# Altium PCB ZJUD_Bottomboard.PcbDoc
Units mm, origin at the board's own origin, x right, y up, seen from the top; angles counter-clockwise.
Board outline 101 x 72 mm, 2 copper layers (Top Layer, Bottom Layer), stack 1.671 mm thick; 69 components, 39 nets, 297 pads, 500 vias.
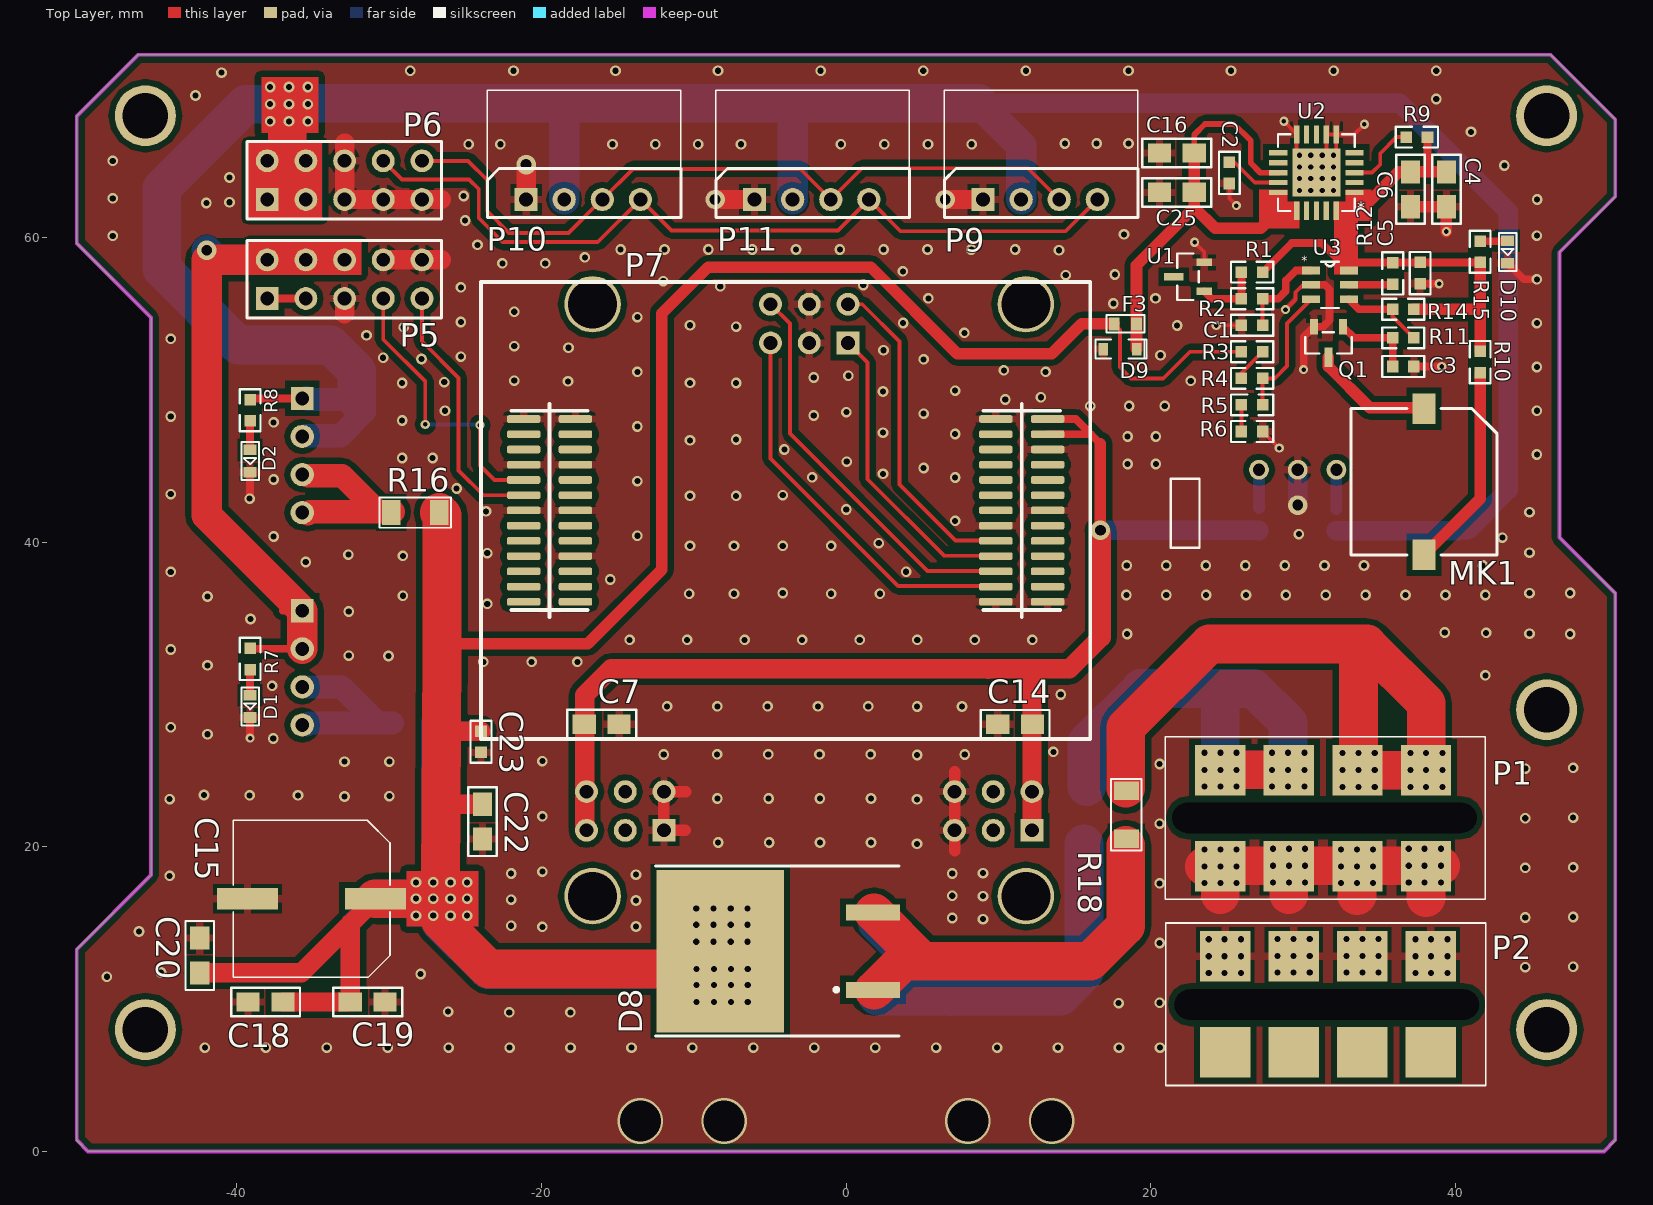
[diagram p0: Top Layer view]
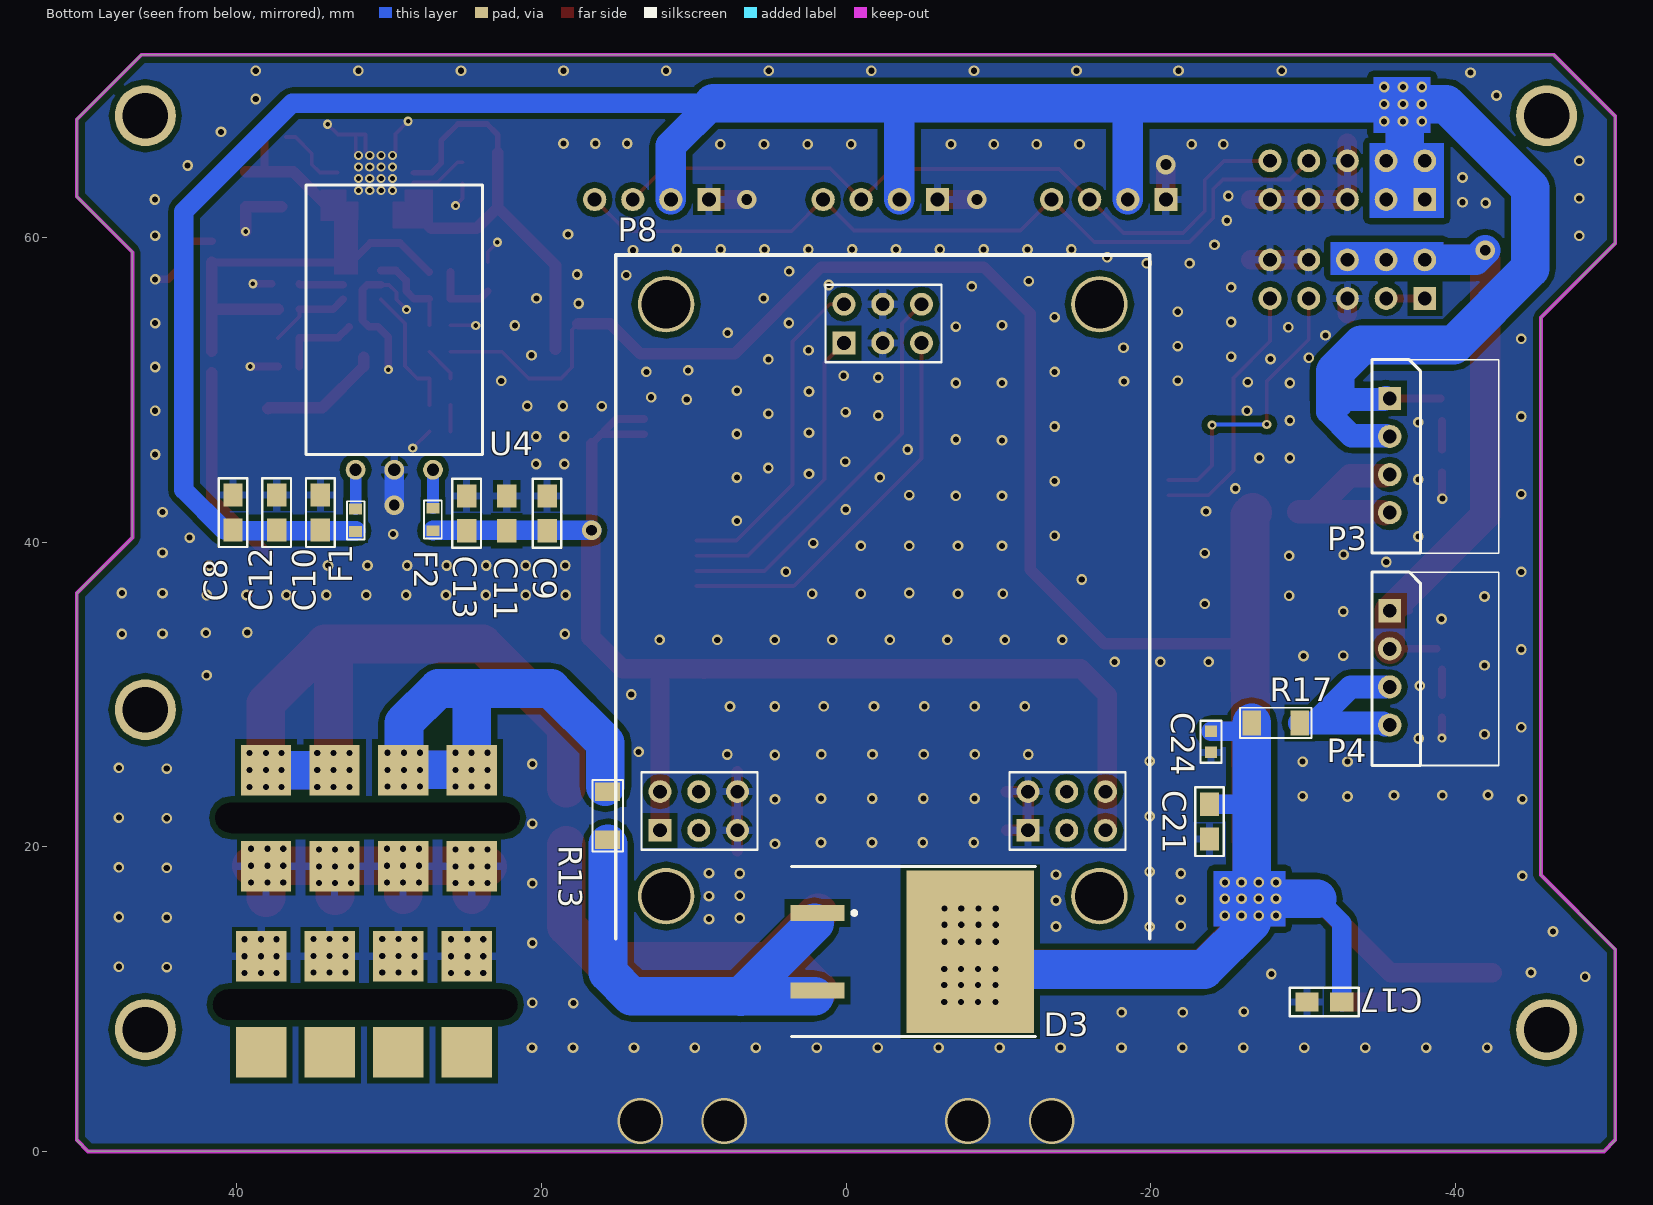
[diagram p1: Bottom Layer view, seen from below]

## Layer stack, top to bottom
Top Solder: solder mask 0.0102, Solder Resist, Dk 3.5
Top Layer: signal copper 0.0356
Dielectric1: core 1.6, FR-4, Dk 4.8
Bottom Layer: signal copper 0.0356
Bottom Solder: solder mask 0.0102, Solder Resist, Dk 3.5

## Board outline
-50.5,0.741 -49.759,0 49.759,0 50.5,0.741 50.5,36.656 46.853,40.303 46.853,59.038 50.5,62.685 50.5,67.766 46.266,72 -46.489,72 -50.5,67.989 -50.5,59.622 -45.628,54.751 -45.628,18.149 -50.5,13.278

## Design rules (kind name [scope] priority, off if disabled: settings)
Clearance Clearance_1 [INPOLYGON] p1: gap=0.381
Clearance [All] p2: gap=0.16
ComponentClearance [All] p1: gap=0 collisioncheckmode=3 verticalgap=0 showdistances=FALSE
HoleSize [All] p1: absolutevalues=TRUE maxlimit=20 minlimit=0.025 maxpercent=80.000 minpercent=20.000
MinimumSolderMaskSliver [All] p1: minsoldermaskwidth=0.01
PlaneConnect [All] p1: planeconnectstyle=Relief reliefexpansion=0.508 reliefentries=4 reliefconductorwidth=1.27 reliefairgap=0.254
PolygonConnect PolygonConnect_1 [ISVIA] p1: connectstyle=Direct reliefconductorwidth=0.254 reliefentries=4 polygonreliefangle="90 Angle" airgapwidth=0.254
PolygonConnect [All] p2: connectstyle=Relief reliefconductorwidth=0.508 reliefentries=4 polygonreliefangle="90 Angle" airgapwidth=0.254
RoutingVias [All] p1: holewidth=0.3 width=0.5 viastyle="Through Hole" minholewidth=0.3 minwidth=0.5 maxholewidth=5 maxwidth=6
SilkToSilkClearance [All] p1: silktosilkclearance=0
SilkToSolderMaskClearance [IsPad] p1: minsilkscreentomaskgap=0 clearancetoexposedcopper=TRUE
SolderMaskExpansion [All] p1: expansion=0.102
Width [All] p1: maxlimit=3.81 minlimit=0.152 preferedwidth=0.254 minimp=50.000000 maximp=50.000000 favimp=50.000000
23 further rules are at their usual default settings.

## Components (designator, comment, footprint, x,y, rotation, side; value= is the part's Value field where it differs from the comment)
C1 "Cb" 0603C 25.959,54.246 r0 top
C2 "Cb" 0603C 25.171,63.551 r90 top
C3 "Cb" 0603C 37.287,51.537 r180 top
C4 "0805" 0805C#1 39.421,64.313 r270 top
C5 "Cb" 0603C 37.694,56.972 r90 top
C6 "0805" 0805C#1 37.059,64.313 r270 top
C7 "0805" 0805C#1 -14.894,28.055 r180 top
C8 "0805" 0805C#1 40.249,43.092 r270 bottom
C9 "0805" 0805C#1 19.624,43.041 r270 bottom
C10 "0805" 0805C#1 34.509,43.092 r270 bottom
C11 "0805" 0805C#2 22.266,43.041 r90 bottom
C12 "0805" 0805C#1 37.379,43.092 r270 bottom
C13 "0805" 0805C#1 24.909,43.041 r270 bottom
C14 "0805" 0805C#1 12.243,28.042 r180 top
C15 "Cap_Sanyo_330" CAP_SANYO_330 -35.087,16.6 r180 top
C16 "0805" 0805C#1 20.574,65.558 r0 top
C17 "0805" 0805C#1 -32.547,9.818 r0 bottom
C18 "0805" 0805C#1 -36.967,9.818 r180 top
C19 "0805" 0805C#1 -32.547,9.818 r0 top
C20 "0805" 0805C#1 -42.428,11.723 r90 top
C21 "0805" 0805C#1 -23.861,22.797 r270 bottom
C22 "0805" 0805C#1 -23.861,22.797 r270 top
C23 "0603" 0603C -23.962,27.598 r270 top
C24 "0603" 0603C -23.962,27.598 r270 bottom
C25 "0805" 0805C#1 20.574,62.967 r0 top
D1 "LED0603" 0603Led -39.126,29.224 r90 top
D2 "LED0603" 0603Led -39.126,45.327 r90 top
D3 "30CTQ80-S" D2PAK -4.226,13.12 r270 bottom
D8 "30CTQ80-S" D2PAK -4.318,13.157 r90 top locked
D9 "1N4007" SOD323-1N4007 17.983,52.68 r180 top
D10 "LED0603" 0603Led 43.434,59.055 r90 top
F1 "Fuse_0603" 0603Fuse 32.197,41.441 r270 bottom
F2 "Fuse_0603" 0603Fuse 27.117,41.492 r270 bottom
F3 "Fuse_0603" 0603Fuse 18.339,54.331 r0 top
MK1 "Buzzer_Smd_Source_9696" Buzzer_Smd_S 37.948,43.967 r180 top locked
P1 "DS_PWR_BOARD" DS_PWR_BOARD 24.577,25.033 r0 top
P2 "DS_PWR_BOARD" DS_PWR_BOARD 38.395,6.516 r180 top
P3 "5264-4" "5264-4 - wan" -35.7,49.442 r270 bottom locked
P4 "5264-4" "5264-4 - wan" -35.7,35.5 r270 bottom locked
P5 "Header 5X2" HDR2X5 -38,56 r0 top
P6 "Header 5X2" HDR2X5 -38,62.5 r0 top
P7 "ZJUD_Core_Module" ZJUD_NewCore_Module -23.962,57.087 r270 top locked
P8 "GYRO_Header 2X5_2.54" GYRO_HDR2X5_2.54 -2.413,55.626 r180 bottom locked
P9 "5264-4" "5264-4 - wan" 9,62.5 r0 top locked
P10 "5264-4" "5264-4 - wan" -21,62.5 r0 top locked
P11 "5264-4" "5264-4 - wan" -6,62.5 r0 top locked
Q1 "SI2302" SOT23-3 31.674,53.086 r180 top
R1 "Rb" 0603R 25.959,57.734 r0 top
R2 "Rb" 0603R 25.959,55.99 r0 top
R3 "Rb" 0603R 25.959,52.502 r0 top
R4 "Rb" 0603R 25.959,50.758 r0 top
R5 "Rb" 0603R 27.356,49.014 r180 top
R6 "Rb" 0603R 25.959,47.269 r0 top
R7 "Rb" 0603R -39.126,33.034 r270 top
R8 "Rb" 0603R -39.126,49.366 r270 top
R9 "Rb" 0603R 38.176,66.599 r180 top
R10 "Rb" 0603R 41.631,51.13 r90 top
R11 "Rb" 0603R 35.89,53.416 r0 top
R12 "Rb" 0603R 35.89,56.947 r90 top
R13 "FUSE1206" 1206R 15.646,22.047 r90 bottom
R14 "Rb" 0603R 35.89,55.296 r0 top
R15 "Rb" 0603R 41.631,58.369 r90 top
R16 "FUSE1206" 1206R -28.28,41.949 r180 top
R17 "FUSE1206" 1206R -28.207,28.134 r0 bottom
R18 "FUSE1206" 1206R 18.405,22.112 r270 top
U1 "LM4040C41IDBZR" SOT23-3 22.454,57.429 r90 top
U2 "TPS7A4701_RGW_20" VQFN-20 30.886,64.262 r180 top
U3 "LMV761" SOT23-6 31.775,56.896 r0 top
U4 "K7805-1500" K78X6-1500(L) 29.656,44.757 r270 bottom locked

## Footprints (in the part's own frame and the unit in brackets; to place one, negate y for a bottom-side part, rotate by r counter-clockwise, add the part's x,y. Pads: shape width x height; smd on the part's side, far side on the other; paste and mask are expansions set on the pad)
0603C [mil]
  rect 30x30 smd: 1(0,0) 2(55,0)
  silkscreen extent -27,-27 82,27, body extent -4,-16 58,16, height 12
0603Fuse [mm] "0603贴片保险丝"
  rect 0.7x0.85 smd: 1(-0.736,0) 2(0.736,0)
  silkscreen extent -1.25,-0.58 1.25,0.58, body extent -0.8,-0.4 0.8,0.4, height 0.73
0603Led [mm] "0603贴?"
  rect 0.7x0.85 smd: 1(-0.736,0) 2(0.736,0)
  silkscreen extent -1.25,-0.57 1.25,0.58, body extent -0.81,-0.4 0.81,0.4, height 0.62
0603R [mil]
  rect 30x30 smd: 1(0,0) 2(55,0)
  silkscreen extent -27,-27 82,27, body extent -4,-18 58,16, height 18
0805C#1 [mil]
  rect 60x50 smd: 1(0,0) 2(90,0)
  silkscreen extent -44,-37 134,37, body extent 5,-25 83,25, height 31
0805C#2 [mil]
  rect 60x50 smd: 1(0,0) 2(-90,0)
  body extent -83,-25 -5,25, height 31
1206R [mm] "1206贴片电阻"
  rect 1.2x1.65 smd: 1(-1.575,0) 2(1.575,0)
  silkscreen extent -2.35,-1 2.35,1, body extent -1.6,-0.8 1.6,0.8, height 0.52
"5264-4 - wan" [mil]
  rect 60x59.05 hole 36: 1(0,0)
  round 60 hole 36: 2(98.43,0) 3(196.85,0) 4(295.28,0)
  silkscreen extent -100,-46 400,282, body extent -101,-16 391,283, height 197
Buzzer_Smd_S [mm]
  rect 1.5x2 smd: 1(0,4.8) 2(0,-4.8)
  silkscreen extent -4.8,-4.8 4.8,4.8, body extent -4.8,-4.9 4.8,4.9, height 5.52
CAP_SANYO_330 [mm] "贴片电解电容"
  rect 4x1.4 smd: 1(-4.2,0) 2(4.2,0)
  silkscreen extent -5.15,-5.15 5.15,5.15, body extent -5.56,-5.15 5.54,5.15, height 10.13
D2PAK [mil]
  rect 41.34x140 smd: 1(-100,-240) 3(100,-240)
  rect 420x330 smd: 2(0,155)
  silkscreen extent -219,-307 219,323, body extent -200,-288 200,313, height 184
DS_PWR_BOARD [mil]
  round 39.37 hole 78.74 slot 787.4 at 0 deg: 0(269,-123)
  rect 130x130 smd far side: 1(0,0) 2(177.17,0) 3(354.33,0) 4(531.5,0) 5(0,-248.03) 6(177.17,-248.03) 7(354.33,-248.03) 8(531.5,-248.03)
  rect 130x130 smd: 1(0,0) 2(177.17,0) 3(354.33,0) 4(531.5,0) 5(0,-248.03) 6(177.17,-248.03) 7(354.33,-248.03) 8(531.5,-248.03)
  silkscreen extent -142,-334 685,86, body extent -241,-747 789,79, height 203
GYRO_HDR2X5_2.54 [mm] "Connector; Header; 4x2 Position"
  round 3.7 hole 3.2: 0(-14.224,-38.862) 0(-14.224,0) 0(14.224,-38.862) 0(14.224,0)
  round 1.5 hole 0.9: 1(-2.54,0) 2(0,0) 3(2.54,0) 5(0,-2.54) 6(2.54,-2.54) 7(-14.62,-32) 8(-12.08,-32) 9(-9.54,-32) 11(-12.08,-34.54) 12(-9.54,-34.54) 13(9.54,-32) 14(12.08,-32) 15(14.62,-32) 17(12.08,-34.54) 18(14.62,-34.54)
  rect 1.5x1.5 hole 0.9: 4(-2.54,-2.54) 10(-14.62,-34.54) 16(9.54,-34.54)
  silkscreen extent -17.53,-41.66 17.53,3.23, body extent -15.84,-35.81 15.94,1.27, height 7.12
HDR2X5 [mm] "Connector; Header; 4x2 Position"
  rect 1.5x1.5 hole 0.9: 1(0,0)
  round 1.5 hole 0.9: 2(0,2.54) 3(2.54,0) 4(2.54,2.54) 5(5.08,0) 6(5.08,2.54) 7(7.62,0) 8(7.62,2.54) 9(10.16,0) 10(10.16,2.54)
  silkscreen extent -1.32,-1.27 11.46,3.81, body extent -1.27,-1.27 11.43,3.81, height 7.12
K78X6-1500(L) [mm]
  round 1.3 hole 0.8: 1(0,-2.54) 2(0,0) 3(0,2.54)
  silkscreen extent -18.7,-5.8 -1,5.8, body extent -18.7,-5.75 0.3,5.75, height 9.02
SOD323-1N4007 [mm] "0603贴片LED"
  rect 0.63x0.83 smd: 1(-1.1,0) 2(1.1,0)
  silkscreen extent -1.75,-0.63 1.6,0.63, body extent -1.26,-0.62 1.26,0.63, height 0.96
SOT23-3 [mil]
  rect 20x40 smd: 1(-37.4,-41.94) 2(37.4,-41.94)
  rect 20x50.5 smd: 3(0,36.69)
  silkscreen extent -60,-28 60,28, body extent -57,-49 58,50, height 39
SOT23-6 [mil]
  rect 46x20 smd: 1(-49,37.4) 2(-49,0) 3(-49,-37.4) 4(49,-37.4) 5(48.99,0) 6(49,37.4)
  silkscreen extent -22,-60 22,60, body extent -56,-58 56,58, height 44
VQFN-20 [mm]
  rect 1.2x0.35 smd: 1(-2.5,1.3) 2(-2.5,0.65) 3(-2.5,0) 4(-2.5,-0.65) 5(-2.5,-1.3) 11(2.5,-1.3) 12(2.5,-0.65) 13(2.5,0) 14(2.5,0.65) 15(2.5,1.3)
  rect 0.35x1.2 smd: 6(-1.3,-2.5) 7(-0.65,-2.5) 8(0,-2.5) 9(0.65,-2.5) 10(1.3,-2.5) 16(1.3,2.5) 17(0.65,2.5) 18(0,2.5) 19(-0.65,2.5) 20(-1.3,2.5)
  rect 3.15x3.15 smd: 21(0,0)
  silkscreen extent -2.52,-2.52 2.52,2.52, body extent -2.52,-2.52 2.52,2.52, height 0.94
ZJUD_NewCore_Module [mm]
  rrect50% 0.5x2.2 smd: 1(9,37.2) 2(9,33.8) 3(10,37.2) 4(10,33.8) 5(11,37.2) 6(11,33.8) 7(12,37.2) 8(12,33.8) 9(13,37.2) 10(13,33.8) 11(14,37.2) 12(14,33.8) 13(15,37.2) 14(15,33.8) 15(16,37.2) 16(16,33.8) 17(17,37.2) 18(17,33.8) 19(18,37.2) 20(18,33.8) 21(19,37.2) 22(19,33.8) 23(20,37.2) 24(20,33.8) 25(21,37.2) 26(21,33.8) 31(9,6.2) 32(9,2.8) 33(10,6.2) 34(10,2.8) 35(11,6.2) 36(11,2.8) 37(12,6.2) 38(12,2.8) 39(13,6.2) 40(13,2.8) 41(14,6.2) 42(14,2.8) 43(15,6.2) 44(15,2.8) 45(16,6.2) 46(16,2.8) 47(17,6.2) 48(17,2.8) 49(18,6.2) 50(18,2.8) 51(19,6.2) 52(19,2.8) 53(20,6.2) 54(20,2.8) 55(21,6.2) 56(21,2.8)
  silkscreen extent 0,0 30,40, body extent 0,0 30,40, height 8.62

## Part data
C1 C2 C3 C5: library part Cap0603
C4 C6 C7 C8 C9 C10 C11 C12 C13 C14 C16 C17 C18 C19 C20 C21 C22 C23 C24 C25: library part Cap0805
D3 D8: library part MBR1035CT
D9: "1N4007-SOD323"
MK1: "贴片有源蜂鸣器9.6mm"
P1 P2: "电池接口转接小板"
P3 P4 P9 P10 P11: "电机连接线"
P5 P6: "Header, 4-Pin, Dual row"
Q1: "N-Channel MOSFET"
R1 R2 R3 R4 R5 R6 R7 R8 R9 R10 R11 R12 R14 R15: library part Res0603
R13 R16 R17 R18: library part Res1206
U1: library part LM4040A25IDBZT, "LM4040A25IDBZT"
U2: "TPS7A4701"

## Free pads (board coordinates)
  round 4 hole 3: 0(-46,8) 0(-46,68) 0(46,8) 0(46,68) 2(46,29)

## Via types
v1: diameter 0.7, hole 0.4, Top Layer to Bottom Layer, 460 vias
v2: diameter 0.6, hole 0.35, Top Layer to Bottom Layer, 16 vias
v3: diameter 0.6, hole 0.3, Top Layer to Bottom Layer, 14 vias
v4: diameter 1.27, hole 0.711, Top Layer to Bottom Layer, 6 vias
v5: diameter 3, hole 2.7, Top Layer to Bottom Layer, 4 vias

## Nets (pads, with @x,y where several pads share a name; then routed paths per layer and width w, separated by ;. In a path a pad name is that pad's centre, name@x,y a point inside that pad or via, vN(x,y) a via of type N, cw(c..) or ccw(c..) an arc to the next point about the centre after c; other vN are vias at no path point)
485_A+: P6.10 P9.3 P10.3 P11.3 | length 49.2
  Top Layer w0.254: P6.10 -24.81,65.04 -23.556,63.786 -23.556,61.736 -22.133,60.313 -18.222,60.313 P10.3@-16.035,62.5 ; P10.3 -13.996,64.504 -3.004,64.504 P11.3 1.055,64.555 11.945,64.555 P9.3
485_B-: P6.8 P9.4 P10.4 P11.4 | length 54.8
  Top Layer w0.254: P6.8 -29.158,63.818 -24.75,63.818 -24.115,63.183 -24.115,61.278 -22.54,59.704 -16.296,59.704 P10.4 -11.466,60.466 -0.534,60.466 P11.4 3.585,60.415 14.415,60.415 P9.4
+5V_BOTTOM: C7.2 C9.2 C11.2 C13.2 C14.1 F2.2 P7.1 P7.3 P8.7 P8.10 P8.15 P8.18 | length 84.8
  Top Layer w0.508: P7.3 16.086,47.087 ; P7.1 15.086,48.087 16.703,46.47
  Top Layer w0.762: v4(16.703,40.781) 16.703,46.47
  Top Layer w1.27: P8.18@-17.155,21.201 -17.155,29.96 -15.428,31.687 9.363,31.687 ; 9.337,31.662 9.363,31.687 ; P8.10 P8.7 12.207,31.626 ; v4@16.753,40.628 16.753,33.769 14.671,31.687 9.363,31.687
  Bottom Layer w1.27: v4(16.703,40.781) 27.092,40.781 F2.2
+5V_MIDDLE: P5.1 P5.3 | length 2.5
  Top Layer w0.508: P5.1 P5.3
+5V_VTEST: C4.1 C5.2 C6.1 R1.2 R9.1 R10.2 R12.2 R14.2 R15.1 U2.1 U2.20 U3.6 | length 35.4
  Top Layer w0.508: R1.2 29.261,59.639 31.227,59.639 U3.6 33.543,58.369 C5.2 R15.1 ; R9.1 38.176,64.338 38.202,64.313
  Top Layer w0.762: 33.655,61.697 33.68,61.697 36.297,64.313 C6.1 38.202,64.313 C4.1 ; R14.2 41.631,55.296 ; R10.2 41.631,55.296 ; R15.1 41.631,55.296
+16V_VTEST: C16.2 C25.2 D9.1 F3.2 U2.13 U2.15 U2.16 | length 30.6
  Top Layer w0.381: C16.2 22.86,66.751 23.571,67.462 25.476,67.462 26.568,66.37 26.568,64.897 27.203,64.262 U2.13
  Top Layer w0.762: D9.1 19.075,52.688 F3.2 19.075,58.191 22.86,61.976 ; C16.2 C25.2 22.86,61.976 ; 28.651,62.027 27.229,60.604 24.232,60.604 22.86,61.976
DGND: C1.1 C2.1 C3.1 C4.2 C5.1 C6.2 C7.1 C8.1 C9.1 C10.1 C11.1 C12.1 C13.1 C14.2 C15.2 C16.1 C17.2 C18.2 C19.2 C20.2 C21.2 C22.2 C23.2 C24.2 C25.1 D1.1 D2.1 D9.2 D10.1 P1.5 P1.6 P1.7 P1.8 P2.5 P2.6 P2.7 P2.8 P5.5 P5.8 P5.10 P6.5 P6.6 P6.7 P6.9 P7.2 P7.5 P7.13 P7.16 P7.25 P7.26 P7.31 P7.32 P7.37 P7.38 P7.43 P7.44 P7.49 P8.2 P8.5 P8.9 P8.12 P8.13 P8.16 P9.1 P10.1 P11.1 Q1.2 R6.2 U1.2 U2.6 U2.7 U2.10 U2.21 U3.2 U4.2 | length 96
  Top Layer w0.254: v3(22.885,59.69) 23.519,59.057 U1.2 ; v3(24.308,54.229) 24.325,54.246 C1.1 ; C2.1 25.171,62.56 v3(25.629,62.103) ; R6.2 v3(28.448,46.177) ; v3(28.753,67.64) 29.586,66.807 U2.10 29.586,65.589 v2(29.775,65.4) ; v3(28.854,55.27) 29.515,55.931 29.515,56.413 29.997,56.896 U3.2 ; v2(31.265,65.4) 31.536,65.671 U2.7 U2.6 ; v2(32.01,65.4) 32.186,65.576 U2.6 ; v3(34.036,67.437) 33.361,66.762 U2.6
  Top Layer w0.508: v3(-39.126,27.141) D1.1 ; v1@-39.126,42.863 D2.1 ; v3(30.048,51.333) 30.048,53.476 Q1.2 31.317,54.151 31.75,54.585 31.75,56.566 31.42,56.896 U3.2 ; C3.1 v3(39.116,51.537) ; C5.1 v3(38.938,56.972) ; D10.1 44.497,57.257 v1(45.354,57.257)
  Top Layer w0.762: -10.562,21.086 P8.16 P8.13 -10.512,23.626 ; P8.9@7.112,23.641 P8.9 ; 7.127,19.746 P8.12 P8.9 ; 7.127,24.928 P8.9 ; C6.2 C4.2 v3(39.421,60.401)
  Top Layer w1.27: -32.928,55.005 -32.92,55.013 P5.5 ; -32.92,66.203 P6.6 P6.5 P6.7 P6.9 -26.578,62.5 ; P5.8 P5.10 -26.578,58.54 ; P10.1 v4(-21,64.793) ; v4(-8.593,62.5) P11.1 ; v4(6.515,62.5) P9.1
  Top Layer w2.54: v1(23.536,18.708) 23.587,18.759 v1(28.032,18.759) v1(29.073,18.759) ; 24.577,16.85 v1(24.577,17.616) v1(24.577,18.708) ; 29.073,16.85 v1(29.073,17.667) v1(29.073,18.759) ; 33.543,16.799 v1(33.543,17.616) v1(33.543,18.708) ; 38.075,16.662 38.075,18.673 v1(37.988,18.759) ; v1(39.055,18.759) v1(37.988,18.759) ; v1(29.073,18.759) v1(30.14,18.759) v1(36.947,18.759) v1(37.988,18.759)
  Bottom Layer w1.27: v4(29.656,42.433) U4.2
  other v1: -42.091,6.821 -38.09,6.821 -34.089,6.821 -30.088,6.821 -26.087,6.821 -22.086,6.821 -18.085,6.821 -14.085,6.821 -10.084,6.821 -6.083,6.821 -2.082,6.821 1.919,6.821 5.92,6.821 9.921,6.821 13.922,6.821 17.922,6.821 20.615,6.821 -22.108,9.132 -18.095,9.132 -26.121,9.183 17.897,9.742 20.589,9.767 -48.524,11.469 -27.925,11.647 23.815,11.723 24.857,11.723 25.923,11.723 37.379,11.723 38.42,11.723 39.487,11.723 -44.968,11.748 28.336,11.748 29.378,11.748 30.445,11.748 32.858,11.748 33.899,11.748 34.966,11.748 44.592,12.104 47.742,12.129 23.815,12.815 24.857,12.815 25.923,12.815 37.379,12.815 38.42,12.815 39.487,12.815 28.336,12.841 29.378,12.841 30.445,12.841 32.858,12.841 33.899,12.841 34.966,12.841 20.589,13.685 23.815,13.933 24.857,13.933 25.923,13.933 37.379,13.933 38.42,13.933 39.487,13.933 28.336,13.958 29.378,13.958 30.445,13.958 32.858,13.958 33.899,13.958 34.966,13.958 -46.416,14.441 -19.939,14.746 -13.792,14.771 -21.981,14.822 8.992,15.254 6.975,15.33 44.592,15.362 47.742,15.393 -13.792,16.473 -21.981,16.536 8.992,16.765 6.975,16.79 20.589,17.603 23.536,17.616 25.644,17.616 32.502,17.616 34.61,17.616 28.032,17.667 30.14,17.667 36.947,17.667 37.988,17.667 39.055,17.667 -44.409,18.098 -13.792,18.175 -21.981,18.251 6.975,18.251 8.992,18.276 -19.939,18.373 44.592,18.619 47.742,18.657 25.644,18.708 32.502,18.708 34.61,18.708 23.536,19.826 24.577,19.826 25.644,19.826 32.502,19.826 33.543,19.826 34.61,19.826 28.032,19.876 29.073,19.876 30.14,19.876 36.947,19.876 37.988,19.876 39.055,19.876 4.664,20.193 -8.392,20.283 -5.048,20.283 -1.703,20.283 1.641,20.283 20.589,21.521 44.592,21.877 47.742,21.921 -19.939,22.001 4.664,23.114 -44.409,23.135 -8.443,23.178 -5.082,23.178 -1.72,23.178 1.641,23.178 -32.928,23.305 -29.982,23.331 -39.151,23.382 -35.976,23.382 -42.149,23.407 44.592,25.134 47.742,25.185 20.589,25.439 -32.928,25.591 -29.982,25.591 -19.939,25.629 4.674,26.035 -11.963,26.06 7.798,26.06 -8.462,26.074 -5.103,26.074 -1.744,26.074 1.616,26.074 13.614,26.238 -37.602,27.115 -41.92,27.395 -44.333,27.852 4.674,29.21 7.62,29.21 -11.745,29.224 -8.443,29.224 -5.141,29.224 -1.839,29.224 1.463,29.224 14.097,29.997 -37.678,30.57 41.976,31.256 -41.92,31.916 -23.81,32.145 -20.635,32.145 -17.638,32.145 -30.033,32.526 -32.649,32.551 -44.333,32.952 -14.209,33.592 -10.431,33.592 -6.654,33.592 -2.877,33.592 0.901,33.592 4.678,33.592 8.455,33.592 12.233,33.592 18.456,33.973 47.539,33.973 44.872,33.999 42.027,34.05 39.309,34.075 -39.101,34.964 -32.649,35.455 -23.556,35.955 -41.92,36.437 -29.093,36.488 18.405,36.539 21.024,36.539 23.643,36.539 26.262,36.539 28.881,36.539 31.5,36.539 34.119,36.539 36.738,36.539 39.357,36.539 41.976,36.539 -10.297,36.615 -7.351,36.615 -0.975,36.615 2.225,36.615 44.872,36.657 -4.15,36.666 47.539,36.666 -15.479,37.555 -44.333,38.053 3.952,38.063 18.43,38.469 21.027,38.469 23.623,38.469 26.22,38.469 28.816,38.469 31.413,38.469 34.009,38.469 41.798,38.469 -35.468,38.698 -29.093,39.104 -32.674,39.18 -23.556,39.282 44.872,39.316 -10.246,39.765 -7.351,39.765 -4.15,39.765 -0.975,39.765 2.149,39.942 43.094,40.298 -37.577,40.374 -13.701,40.425 29.733,40.527 7.163,41.402 44.872,41.974 -23.632,42.025 0.015,42.152 -39.151,42.863 -10.246,43.041 -7.214,43.041 -4.15,43.092 -44.333,43.153 -25.562,43.524 -13.701,44.013 -37.577,44.121 7.163,44.251 -2.22,44.26 2.428,44.489 5.095,44.87 18.491,45.136 20.345,45.136 0.051,45.288 -29.144,45.53 -27.137,45.53 45.354,45.759 -4.049,46.089 -10.246,46.686 -7.214,46.745 18.491,46.939 20.345,46.939 7.163,47.101 2.428,47.194 -13.701,47.6 -37.577,47.867 -29.144,47.994 -44.333,48.253 -2.118,48.324 5.095,48.439 0.025,48.539 -26.324,48.629 45.354,48.633 16.038,48.934 18.593,48.946 20.93,48.946 10.455,49.366 12.792,49.518 2.428,49.899 7.163,49.95 -7.214,50.449 -29.144,50.458 -10.246,50.464 -26.375,50.509 -18.247,50.56 22.631,50.597 -21.778,50.61 -2.118,50.814 0.152,50.927 -13.701,51.188 13.106,51.181 10.363,51.283 45.354,51.508 5.095,52.007 -27.874,52.033 -30.388,52.109 -25.283,52.185 20.65,52.273 2.464,52.603 -18.222,52.769 -21.778,52.871 -44.333,53.354 -31.481,53.582 7.772,53.746 -29.042,54.116 -7.214,54.153 21.742,54.229 -10.246,54.243 45.354,54.382 3.749,54.395 -25.283,54.458 -13.701,54.776 -21.778,55.132 17.551,55.677 5.41,56.007 20.32,56.007 -25.283,56.732 -8.255,56.794 1.133,56.884 -11.999,57.138 14.427,57.531 17.653,57.582 3.734,57.785 -22.565,58.307 -19.746,58.307 -17.145,58.699 13.985,59.17 -14.793,59.221 -11.915,59.221 -9.037,59.221 -6.159,59.221 -3.282,59.221 -0.404,59.221 2.474,59.221 5.352,59.221 8.23,59.221 11.108,59.221 -24.191,59.526 -48.143,60.11 45.354,60.131 18.253,60.212 -25.004,61.126 -41.996,62.269 -40.472,62.32 45.38,62.498 -48.143,62.574 -25.105,62.726 -40.472,63.945 43.221,64.733 -48.143,65.038 -24.775,66.13 -22.692,66.13 -15.326,66.13 -12.515,66.13 -9.704,66.13 -6.893,66.13 -0.34,66.13 2.522,66.13 5.383,66.13 8.245,66.13 14.366,66.181 16.456,66.181 18.545,66.181 41.036,66.943 38.75,69.102 -42.707,69.33 -41.006,70.829 -28.61,70.956 -21.829,70.956 -15.138,70.956 -8.402,70.956 -1.666,70.956 5.07,70.956 11.806,70.956 18.542,70.956 25.278,70.956 32.014,70.956 38.75,70.956
  other v2: 29.775,63.089 30.52,63.089 31.265,63.089 32.01,63.089 29.775,63.876 30.52,63.876 31.265,63.876 32.01,63.876 29.775,64.638 30.52,64.638 31.265,64.638 32.01,64.638 30.52,65.4
  other v5: -13.5,2 -8,2 8,2 13.5,2
GYRO_RXD: P5.7 P7.40 | length 18.9
  Top Layer w0.254: P5.7 -30.38,53.32 -27.62,50.56 v3(-27.62,47.74) ; v3(-24.038,47.689) -24.038,45.048 -23.078,44.087 P7.40
  Bottom Layer w0.254: v3(-27.62,47.74) -24.089,47.74 v3(-24.038,47.689)
GYRO_TXD: P5.9 P7.42 | length 17.2
  Top Layer w0.254: P5.9 -27.84,53.193 -25.435,50.788 -25.435,44.718 -23.805,43.087 P7.42
NetC1_2: C1.2 R2.2 U3.1 | length 6.1
  Top Layer w0.254: C1.2 R2.2
  Top Layer w0.508: R2.2 28.38,55.99 28.88,56.49 28.88,57.175 29.55,57.846 U3.1
NetC2_2: C2.2 U2.14 | length 3.8
  Top Layer w0.254: C2.2 25.502,64.948 26.837,63.612 U2.14
NetC3_2: C3.2 Q1.1 R11.1 | length 5.5
  Top Layer w0.508: Q1.1 33.359,53.416 R11.1 C3.2
NetD1_2: D1.2 R7.2 | length 1.7
  Top Layer w0.508: D1.2@-39.126,29.96 R7.2
NetD2_2: D2.2 R8.2 | length 1.9
  Top Layer w0.508: D2.2 R8.2
NetD3_1: D3.1 D3.3 R13.1 | length 29.5
  Bottom Layer w2.54: D3.3@2.073,10.199 14.087,10.199 15.621,11.733 R13.1@15.621,20.181 ; 2.073,15 6.912,10.161
NetD8_1: D8.1 D8.3 R18.2 | length 28.1
  Top Layer w2.54: D8.1@1.844,10.58 3.749,12.485 16.041,12.485 18.364,14.808 R18.2@18.364,20.105 ; D8.3@1.844,15.66 5.019,12.485
NetD10_2: D10.2 R15.2 | length 1.8
  Top Layer w0.508: R15.2 43.409,59.766 D10.2
NetF1_1: F1.1 U4.1 | length 2.6
  Bottom Layer w0.762: U4.1 32.196,42.178 F1.1
NetF2_1: F2.1 U4.3 | length 2.5
  Bottom Layer w0.762: U4.3 27.116,42.229 F2.1
NetMK1_1: MK1.1 R10.1 | length 13.5
  Top Layer w0.762: MK1.1 41.631,42.85 R10.1
NetMK1_2: MK1.2 Q1.3 | length 8
  Top Layer w0.762: Q1.3 31.674,51.537 34.392,48.819 37.896,48.819 MK1.2
NetR1_1: R1.1 R2.1 U1.1 | length 4.4
  Top Layer w0.508: U1.1 24.008,55.99 R2.1 R1.1
NetR3_2: R3.2 R4.1 | length 2.3
  Top Layer w0.254: R4.1 25.959,51.105 R3.2
NetR4_2: R4.2 R5.1 U3.3 | length 8.7
  Top Layer w0.254: R5.1 R4.2 28.152,50.758 28.956,51.562 28.956,54.371 U3.3
NetR5_2: R5.2 R6.1 | length 1.7
  Top Layer w0.254: R6.1 R5.2
NetR9_2: R9.2 U2.3 | length 4.8
  Top Layer w0.254: U2.3 34.544,64.262 35.077,64.795 35.077,65.532 36.144,66.599 R9.2
NetR11_2: R11.2 R14.1 U3.4 | length 5.6
  Top Layer w0.254: R14.1 35.89,54.813 R11.2
  Top Layer w0.508: U3.4 33.67,55.296 R14.1
NetR12_1: R12.1 U3.5 | length 2.9
  Top Layer w0.508: U3.5 35.839,56.896 R12.1
SPI2_CS: P7.18 P8.1 | length 21.6
  Top Layer w0.254: P8.1 1.07,55.626 3.521,53.176 3.521,43.778 7.178,40.12 9.83,40.12 P7.18@9.835,40.116
SPI2_MISO: P7.22 P8.3 | length 26.3
  Top Layer w0.254: P8.3 -3.683,54.356 -3.683,47.146 5.347,38.116 P7.22@9.835,38.116
SPI2_MOSI: P7.24 P8.6 | length 25.8
  Top Layer w0.254: P8.6 -4.953,45.495 3.426,37.116 P7.24@9.835,37.116
SPI2_SCK: P7.20 P8.4 | length 20
  Top Layer w0.254: P8.4 1.412,51.801 1.412,44.133 6.43,39.116 P7.20@9.835,39.116
V_PC_AF_SW: P4.1 P4.2 P5.2 P5.4 P5.6 R7.1 | length 45.8
  Top Layer w0.508: R7.1@-38.788,33 P4.2 ; -36.964,35.5 P4.1
  Top Layer w2: P4.2 P4.1 -41.971,41.771 -41.971,58.54 P5.2 P5.4
  Bottom Layer w2: v4(-41.971,59.17) -41.341,58.54 P5.2 P5.4
V_PC_BF_SW: P4.3 P4.4 R17.1 | length 12.3
  Bottom Layer w1.524: P4.4@-35.395,28 -35.261,28.134 R17.1 -30.772,28.134 -33.138,30.5 P4.3@-35.395,30.5
V_SUB_AF_SW: C8.2 C10.2 C12.2 F1.2 P3.1 P3.2 P6.1 P6.2 P6.3 P6.4 P9.2 P10.2 P11.2 R8.1 | length 191.1
  Top Layer w0.508: R8.1@-39.05,49.442 P3.1
  Top Layer w2: P6.1@-38.241,62.625 P6.1@-38.004,62.388
  Top Layer w2.54: -36.688,63.704 -36.688,69.254
  Bottom Layer w1.27: 8.702,68.822 36.363,68.822 43.475,61.71 43.475,43.448 40.833,40.806 C8.2 40.199,40.756 F1.2@32.197,40.756
  Bottom Layer w1.524: P3.2@-35.446,46.997 -33.189,46.997 -31.633,48.553 -31.633,49.772 ; P3.1@-35.446,49.497 -35.312,49.363 -32.116,49.363
  Bottom Layer w2: -18.501,68.822 -18.5,68.821 P10.2 ; P11.2 -3.5,68.782 ; 8.702,68.822 11.5,66.024 P9.2
  Bottom Layer w2.54: -37.45,68.822 -18.501,68.822 8.702,68.822 ; -36.688,63.704 v1@-36.688,68.67 ; v1@-36.688,68.759 v1(-37.805,68.759) -39.393,68.759 -44.917,63.234 -44.917,57.976 -39.888,52.947 -33.843,52.947 -32.116,51.22 -32.116,49.363
  other v1: -37.805,67.628 -36.567,67.628 -35.329,67.628 -36.567,68.759 -35.329,68.759 -37.805,69.889 -36.567,69.889 -35.329,69.889
V_SUB_BF_SW: P3.3 P3.4 R16.2 | length 12.3
  Top Layer w1.524: P3.4@-35.344,41.869 -35.21,42.003 -29.731,42.003 -30.721,42.003 -33.087,44.369 P3.3@-35.344,44.369
VBAT: C15.1 C17.1 C18.1 C19.1 C20.1 C21.1 C22.1 C23.1 C24.1 D3.2 D8.2 F3.1 R3.1 R16.1 R17.2 | length 206.5
  Top Layer w0.254: F3.1 17.983,53.951 17.983,51.486 18.72,50.749 20.828,50.749 22.581,52.502 R3.1
  Top Layer w0.508: -26.528,32.602 -25.805,33.325
  Top Layer w0.762: -25.805,33.338 -16.952,33.338 -12.09,38.2 -12.09,55.016 -9.042,58.064 1.626,58.064 7.315,52.375 13.513,52.375 15.482,54.344 F3.1@17.592,54.344
  Top Layer w1.27: C20.1 -35.764,11.723 -32.547,14.94 ; C18.1 C19.1 -32.547,14.94 ; C15.1 -32.547,14.94 ; -26.586,22.797 C22.1 ; -26.557,27.648 -26.507,27.598 C23.1
  Top Layer w2.54: C15.1 v1(-28.229,16.6) ; R16.1 -26.528,41.771 -26.528,32.602 -26.557,27.648 -26.586,22.797 -26.617,17.67 -26.617,17.664 -26.617,17.657 -26.623,16.604 -26.623,16.597 -26.623,16.59 -26.63,15.486 -26.63,15.479 -26.63,15.473 -26.632,15.155 -23.454,11.977 D8.2@-8.011,11.977
  Bottom Layer w1.27: C17.1 -32.547,14.991 -30.938,16.6 ; -26.632,22.797 C21.1 ; R17.2 -26.096,27.598 C24.1
  Bottom Layer w2.54: -30.938,16.6 v1(-28.229,16.6) ; R17.2 -26.632,22.797 -26.632,15.053 -23.53,11.952 D3.2@-7.96,11.952
  other v1: -9.804,9.804 -8.674,9.804 -7.544,9.804 -6.452,9.804 -9.804,10.922 -8.674,10.922 -7.544,10.922 -6.452,10.922 -9.804,11.989 -8.674,11.989 -7.544,11.989 -6.452,11.989 -9.83,13.767 -8.7,13.767 -7.569,13.767 -6.477,13.767 -9.83,14.884 -8.7,14.884 -7.569,14.884 -6.477,14.884 -28.229,15.482 -27.099,15.482 -25.969,15.482 -24.877,15.482 -9.83,15.951 -8.7,15.951 -7.569,15.951 -6.477,15.951 -27.099,16.6 -25.969,16.6 -24.877,16.6 -28.229,17.667 -27.099,17.667 -25.969,17.667 -24.877,17.667
VBAT_IN: P1.1 P1.2 R13.2 | length 35.8
  Top Layer w2.54: v1(24.577,25.058) v1(25.644,25.058) v1(27.981,25.058) v1(29.022,25.058)
  Bottom Layer w2.54: R13.2@15.799,23.966 15.799,26.822 19.368,30.392 24.603,30.392 ; 24.603,30.392 26.762,30.392 29.022,28.131 v1(29.022,26.176) v1(29.022,25.058) v1(27.981,25.058) v1(25.644,25.058) v1(24.577,25.058) v1(24.577,26.176) 24.577,30.367 24.603,30.392
  other v1: 23.536,23.966 24.577,23.966 25.644,23.966 27.981,23.966 29.022,23.966 30.089,23.966 23.536,25.058 30.089,25.058 23.536,26.176 25.644,26.176 27.981,26.176 30.089,26.176
VEX_IN: P1.3 P1.4 R18.1 | length 49.4
  Top Layer w2.54: R18.1@18.364,23.839 18.364,27.838 23.839,33.313 34.204,33.313 ; 34.204,33.313 33.645,32.754 v1(33.645,26.15) v1(33.645,25.033) v1(34.712,25.033) v1(37.049,25.033) 38.077,25.033 v1(38.09,25.033) v1(38.09,26.15) 38.09,29.427 34.204,33.313
  Bottom Layer w2.54: v1(33.645,25.033) v1(34.712,25.033) v1(37.049,25.033) 38.077,25.033 v1(38.09,25.033)
  other v1: 32.604,23.94 33.645,23.94 34.712,23.94 37.049,23.94 38.09,23.94 39.157,23.94 32.604,25.033 39.157,25.033 32.604,26.15 34.712,26.15 37.049,26.15 39.157,26.15
pads on no net: P1.0 P2.0 P2.1 P2.2 P2.3 P2.4 P7.4 P7.6 P7.7 P7.8 P7.9 P7.10 P7.11 P7.12 P7.14 P7.15 P7.17 P7.19 P7.21 P7.23 P7.33 P7.34 P7.35 P7.36 P7.39 P7.41 P7.45 P7.46 P7.47 P7.48 P7.50 P7.51 P7.52 P7.53 P7.54 P7.55 P7.56 P8.0 P8.8 P8.11 P8.14 P8.17 U1.3 U2.2 U2.4 U2.5 U2.8 U2.9 U2.11 U2.12 U2.17 U2.18 U2.19

## Polygon pours and split planes (outlines as drawn)
DGND on Top Layer "DGND" (solid, remove dead copper, pour order 4): -50.523,72.009 50.5,72.009 50.5,0 50.299,0.197 -50.724,0.197 -50.523,0.395 -50.523,72.009
DGND on Bottom Layer "DGND" (solid, remove dead copper, pour order 6): -50.002,72 50,72 50,0 49.95,0.049 -50.102,0.049 -50.002,0.148 -50.002,72

## Keep-outs
Keep-Out Layer:
  the board outline again, w0.254

## Other copper
Top Layer:
  rectangle net +5V_VTEST: 32.055,57.582 33.604,61.57
  rectangle net +5V_VTEST: 32.791,61.087 34.493,63.144
  rectangle net +5V_VTEST: 32.004,61.112 34.493,62.357
  rectangle net +16V_VTEST: 27.229,60.604 29.769,62.357
  rectangle net +16V_VTEST: 27.127,61.163 29.769,61.29
  rectangle net +16V_VTEST: 27.127,60.858 28.981,63.144
  region net V_SUB_AF_SW: -35.621,70.549 -35.621,66.866 -34.63,66.866 -34.63,70.549
  rectangle net V_PC_AF_SW: -39.228,57.545 -31.811,59.704
  region net V_SUB_AF_SW: -38.389,70.549 -38.389,66.866 -34.884,66.866 -34.884,70.549
  region net V_SUB_AF_SW: -39.273,66.197 -39.273,61.278 -34.402,61.278 -34.402,66.197
  rectangle net VBAT: -28.864,14.771 -24.14,18.403
Bottom Layer:
  region net V_SUB_AF_SW: -35.621,70.549 -35.621,66.866 -34.63,66.866 -34.63,70.549
  rectangle net V_SUB_AF_SW: -39.273,61.278 -34.376,66.197
  rectangle net V_PC_AF_SW: -39.228,57.545 -31.811,59.704
  region net V_SUB_AF_SW: -38.389,70.549 -38.389,66.866 -34.884,66.866 -34.884,70.549
  rectangle net VBAT: -28.864,14.771 -24.14,18.403

## Silkscreen, mask and mechanical layers (free items; w line width, h text height)
Top Solder:
  lines w0.762: -28.229,15.482 -24.877,15.482 ; -28.229,17.667 -24.877,17.667
  lines w1.27: -41.971,59.17 -41.971,41.771 -35.7,35.5 -35.7,33 ; -35.649,41.869 -35.515,42.002 -30.721,42.002 -33.087,44.369 -35.649,44.369
  lines w1.524: -30.887,16.6 -24.877,16.6
  lines w1.778: -26.68,41.949 -26.632,41.9 -26.632,15.155 -23.454,11.977 -11.948,11.977 ; 1.844,10.58 3.749,12.485 14.036,12.485 16.041,12.485 18.405,14.849 18.405,20.512 ; 1.87,15.66 1.87,15.635 4.791,12.714 ; 18.313,23.774 18.313,27.838 23.788,33.313 34.28,33.313 38.077,29.516 38.077,25.033 ; 33.543,33.313 33.645,33.211 33.645,25.033
Bottom Solder:
  lines w0.762: -28.229,15.482 -24.877,15.482 ; -28.229,17.667 -24.877,17.667
  lines w1.27: -44.917,57.976 -44.917,57.926 -44.866,57.926 ; -41.971,59.17 -41.341,58.54 -35.46,58.54 ; -35.751,46.997 -33.189,46.997 -31.862,48.324 -31.862,49.363 -35.617,49.363 -35.751,49.497 ; -35.701,62.625 -35.464,62.388 ; -35.7,28 -35.566,28.134 -30.772,28.134 -33.138,30.5 -35.7,30.5 ; -18.5,62.5 -18.5,68.821 ; -3.515,68.797 -3.5,68.782 -3.5,62.5 ; 8.829,68.822 11.5,66.151 11.5,62.5
  lines w1.524: -28.229,16.6 -24.877,16.6
  lines w1.778: -44.917,57.976 -44.917,63.285 -39.443,68.759 -36.688,68.759 ; -44.866,57.926 -39.913,52.973 -36.561,52.973 -33.868,52.973 -32.116,51.22 -32.116,49.363 ; -26.632,28.134 -26.632,15.053 -23.556,11.977 -11.948,11.977 ; 2.073,10.199 14.087,10.199 15.647,11.759 15.647,20.447 ; 2.073,15 6.912,10.161 ; 15.646,23.622 15.646,26.67 19.368,30.392 21.301,30.392 26.762,30.392 29.022,28.131 29.022,25.058 ; 24.526,30.392 24.577,30.341 24.577,25.033
  lines w1.905: -37.805,68.822 8.829,68.822
  lines w3.048: -36.688,62.752 -36.688,68.759

## Text inside footprints (layer, text, board x,y; h text height)
U2: Top Overlay "*" at 34.086,62.662 h0.76 r180
U3: Top Overlay "*" at 29.875,58.196 h0.64